# KiCad board st251_20629.kicad_pcb (continued)
## Footprints (pads in the part's own frame, mm; a bottom-side part is the same pattern mirrored in y, then rotated) (continued)
SolderJumper-2_P1.3mm_Bridged_Pad1.0x1.5mm
  rect 1x1.5 smd: 1(-0.65,0) 2(0.65,0)
SOP127P620X175-14
  rect 2x0.6 smd: 1(-2.5,3.81) 2(-2.5,2.54) 3(-2.5,1.27) 4(-2.5,0) 5(-2.5,-1.27) 6(-2.5,-2.54) 7(-2.5,-3.81) 8(2.5,-3.81) 9(2.5,-2.54) 10(2.5,-1.27) 11(2.5,0) 12(2.5,1.27) 13(2.5,2.54) 14(2.5,3.81)
SOP127P620X175-16
  rect 2x0.6 smd: 1(-2.5,4.445) 2(-2.5,3.175) 3(-2.5,1.905) 4(-2.5,0.635) 5(-2.5,-0.635) 6(-2.5,-1.905) 7(-2.5,-3.175) 8(-2.5,-4.445) 9(2.5,-4.445) 10(2.5,-3.175) 11(2.5,-1.905) 12(2.5,-0.635) 13(2.5,0.635) 14(2.5,1.905) 15(2.5,3.175) 16(2.5,4.445)
SOP127P1065X265-16
  rect 2x0.55 smd: 1(-4.7,4.445) 2(-4.7,3.175) 3(-4.7,1.905) 4(-4.7,0.635) 5(-4.7,-0.635) 6(-4.7,-1.905) 7(-4.7,-3.175) 8(-4.7,-4.445) 9(4.7,-4.445) 10(4.7,-3.175) 11(4.7,-1.905) 12(4.7,-0.635) 13(4.7,0.635) 14(4.7,1.905) 15(4.7,3.175) 16(4.7,4.445)
SOP127P1065X265-20
  rect 2x0.55 smd: 1(-4.7,5.715) 2(-4.7,4.445) 3(-4.7,3.175) 4(-4.7,1.905) 5(-4.7,0.635) 6(-4.7,-0.635) 7(-4.7,-1.905) 8(-4.7,-3.175) 9(-4.699,-4.445) 10(-4.699,-5.715) 11(4.699,-5.715) 12(4.699,-4.445) 13(4.7,-3.175) 14(4.7,-1.905) 15(4.7,-0.635) 16(4.7,0.635) 17(4.7,1.905) 18(4.7,3.175) 19(4.7,4.445) 20(4.7,5.715)
SOT95P230X117-3
  rect 0.9x0.8 smd: 1(-1,0.95) 2(-1,-0.95) 3(1,0)
SOT-23
  rrect 1.475x0.6 smd: 1(-0.938,0.95) 2(-0.938,-0.95) 3(0.938,0)
SOT-89-3
  rect 1.3x0.9 smd: 1(-1.95,1.5) 3(-1.95,-1.5)
  custom 4.6x1.733 smd: 2(-1.863,0)
SOT-323_SC-70
  rect 0.7x0.45 smd: 1(-1,0.65) 2(-1,-0.65) 3(1,0)
TestPoint_THTPad_1.0x1.0mm_Drill0.5mm
  rect 1x1 hole 0.5: 1(0,0)
TestPoint_THTPad_1.5x1.5mm_Drill0.7mm
  rect 1.5x1.5 hole 0.7: 1(0,0)
TestPoint_THTPad_2.0x2.0mm_Drill1.0mm
  rect 2x2 hole 1: 1(0,0)
TO-252-2
  rrect 2.2x1.2 smd: 1(-5.04,2.28) 3(-5.04,-2.28)
  rrect 3.05x2.75 smd: 2(-0.415,1.525) 2(-0.415,-1.525) 2(2.935,1.525) 2(2.935,-1.525)
  rrect 6.4x5.8 smd: 2(1.26,0)

## Nets
+5V: 1D1.14 1E1.14 1F1.14 2B1.30 2D1.16 2E1.14 2F1.14 3A1.24 3A1.42 4A1.24 6A1.29 6B1.20 6C1.20 7C1.13 7C1.20 7F1.11 10J1.3 C25.1 C26.1 C30.1 C32.1 C34.1 C38.2 C40.1 C45.1 C49.1 C50.1 C52.1 C65.1 C68.1 C70.1 C71.1 C72.1 C74.1 CR1.2 CR2.1 L1.2 L3.1 Q3.3 R5.2 R7.2 R10.2 R12.2 R13.2 R14.2 R15.2 R19.2 R20.2 R34.2 R35.1 R40.2 R42.2 R44.1 R49.2 R58.2 R59.2 R64.2 R70.2 R71.2 R75.1 R82.1 RN1.10
+5VP: 7E1.14 C62.1 CR4.3 R54.1
+12V: 7F1.12 8F1.6 C54.1 C64.1 C66.1 C73.1 CR3.2 CR5.1 D1.1 L2.2 Langle1.2 Q1.2 Q2.2 R18.1 R61.1 R72.2
+12VA: 6A1.44 10E1.10 C2.1 C15.1 C16.1 C29.1 Langle1.1 R1B1.1
GND: 1D1.7 1E1.7 1F1.7 2B1.13 2B1.27 2D1.8 2E1.7 2F1.7 2F1.12 3A1.44 4A1.12 4A1.18 4H1.0 4H1.4 4H1.9 5H1.4 5H1.8 6A1.5 6A1.28 6A1.30 6B1.1 6B1.10 6C1.10 7C1.10 7C1.19 7E1.7 7F1.13 8F1.13 9J1.7 10E1.11 10F1.4 10F1.5 10F1.12 10F1.13 10H1.4 10H1.5 10H1.12 10H1.13 10J1.12 11E1.11 11F1.4 11F1.5 11F1.12 11F1.13 C1.2 C2.2 C3.1 C4.2 C5.2 C6.2 C8.2 C9.2 C15.2 C16.2 C18.2 C19.2 C27.2 C28.2 C29.2 C30.2 C31.1 C32.2 C40.2 C42.2 C43.2 C44.2 C45.2 C46.2 C47.2 C48.2 C49.2 C50.2 C51.2 C52.2 C53.2 C54.2 C55.2 C56.2 C57.2 C58.2 C60.1 C61.2 C62.2 C63.2 C64.2 C65.2 C66.2 C68.2 C70.2 C71.2 C72.2 C73.2 C74.2 CR4.1 CR7.2 CR8.2 J1.1 J1.3 J1.5 J1.7 J1.9 J1.11 J1.13 J1.15 J1.17 J1.19 J1.21 J1.23 J1.25 J1.27 J1.29 J1.31 J1.33 J2.2 J2.4 J2.6 J2.8 J2.11 J2.12 J2.15 J2.16 J2.19 J2.20 J3.2 J3.3 J4.2 J6.3 J6.7 J6.11 J6.15 J6.19 J6.23 J7.9 J7.15 Q4.2 Q5.2 R3.2 R6.1 R16.2 R26.1 R27.2 R32.2 R33B1.1 R43.1 R45.1 R47.1 R48.1 R50.1 R51.2 R53.2 R55.2 R57.1 R60.1 RN1.1 TP2.1 TP9.1
+5C: 4H1.3 C18.1 C53.1 J4.3 Q3.2
+5F: 10F1.16 10H1.16 11F1.16 C55.1 C57.1 C58.1 DS1.2 JP11.1 L3.2 L11.2
/Analog/+RD: 6A1.25 J2.17
/Analog/-RD: 6A1.26 J2.18
/Analog/CCOMP: 10J1.14 R36.2
/Analog/COILU: 4H1.13 5H1.3 C39.1 C46.1 J4.8
/Analog/COILV: 4H1.17 5H1.7 C48.1 C69.1 J4.7
/Analog/COILW: 4H1.15 5H1.1 7F1.6 C47.1 C59.1 J4.5
/Analog/DRV_SEL: 1E1.8 2E1.13 J7.12 R13.1
/Analog/DS1: J1.26 J7.2
/Analog/DS2: J1.28 J7.4
/Analog/DS3: J1.30 J7.6
/Analog/DS4: J1.32 J7.8
/Analog/HDC1: 10E1.9 J6.1
/Analog/HDC2: 10E1.8 J6.5
/Analog/HDC3: 10E1.7 J6.9
/Analog/HDC4: 10E1.6 J6.13
/Analog/HDC5: 10E1.5 J6.17
/Analog/HDC6: 10E1.4 J6.21
/Analog/HDSEL1: 10E1.17 J1.14 RN1.7
/Analog/HDSEL2: 10E1.16 J1.18 RN1.4
/Analog/HDSEL4: J1.4 JP10.2 RN1.5
/Analog/HDSEL4B: 10E1.15 JP10.1 JP11.2
/Analog/HDSEL8: J1.2 RN1.9
/Analog/MOT_EN: 7E1.8 10F1.1 10F1.9 10H1.1 11F1.1 11F1.9
/Analog/MOTA+: 7F1.15 8F1.18 11F1.3 R67.1
/Analog/MOTA-: 7F1.14 8F1.23 11F1.6 CR8.1 J5.10
/Analog/MOTB+: 8F1.17 10H1.3 R81.1
/Analog/MOTB-: 8F1.22 10H1.6 J5.2
/Analog/MOTC+: 8F1.16 10F1.11 R67B1.1
/Analog/MOTC-: 8F1.21 10F1.14 J5.4
/Analog/MOTD+: 7F1.3 8F1.15 11F1.11 R68.1
/Analog/MOTD-: 7F1.2 8F1.20 11F1.14 J5.6
/Analog/MOTE+: 7F1.1 8F1.14 10F1.3 R68B1.1
/Analog/MOTE-: 7F1.16 8F1.19 10F1.6 J5.8
/Analog/REC_MODE: J1.16 J2.7 J7.14 RN1.6
/Analog/UHALL+: 4H1.21 C35.1 J4.1 R38.1
/Analog/UHALL-: 4H1.20 C35.2 J4.13 R39.1
/Analog/VHALL+: 4H1.19 C36.1 J4.10
/Analog/VHALL-: 4H1.18 C36.2 J4.12
/Analog/WHALL+: 4H1.23 10J1.4 C37.1 J4.9
/Analog/WHALL-: 4H1.22 10J1.5 C37.2 J4.11
/Analog/WRT_FAULT: 2E1.1 2E1.6 JP1.1
/Analog/~{HALL}: 2F1.5 9J1.5
/Analog/~{WRT_GATE}: 6A1.37 C4.1 J1.6 RN1.8
/Digital/0101: 1D1.6 7C1.15
/Digital/A0: 2D1.1 3A1.5 4A1.8
/Digital/A1: 2D1.2 3A1.6 4A1.7
/Digital/A2: 2D1.3 3A1.7 4A1.6
/Digital/A3: 3A1.8 4A1.5
/Digital/A4: 4A1.4 6B1.19
/Digital/A5: 4A1.3 6B1.15
/Digital/A6: 4A1.2 6B1.16
/Digital/A7: 4A1.1 6B1.12
/Digital/A8: 4A1.23 6B1.2
/Digital/A9: 4A1.22 6B1.9
/Digital/A10: 4A1.19 6B1.6
/Digital/A11: 4A1.21 6B1.5
/Digital/D0: 3A1.20 4A1.9 6B1.18 6C1.18
/Digital/D1: 3A1.19 4A1.10 6B1.14 6C1.14
/Digital/D2: 3A1.18 4A1.11 6B1.17 6C1.17
/Digital/D3: 3A1.17 4A1.13 6B1.13 6C1.13
/Digital/D4: 3A1.16 4A1.14 6B1.3 6C1.3
/Digital/D5: 3A1.15 4A1.15 6B1.8 6C1.8
/Digital/D6: 3A1.14 4A1.16 6B1.7 6C1.7
/Digital/D7: 3A1.13 4A1.17 6B1.4 6C1.4
/Digital/DIRECTION: 6C1.15 7C1.17
/Digital/EMS: 1D1.2 2E1.11
/Digital/MCU_INDEX: 2B1.42 3A1.33
/Digital/PA2: 2B1.39 3A1.31
/Digital/PHI2: 1D1.3 2D1.6 2E1.9 3A1.4 R80.2
/Digital/R/~{W}: 2D1.5 2E1.10 3A1.10
/Digital/~{0100}: 2D1.15 6C1.11
/Digital/~{0101}: 1D1.5 2D1.14
/Digital/~{0107}: 2B1.43 2D1.7
/Digital/~{EMS}: 1D1.1 2D1.4 3A1.12 6B1.11
/Digital/~{HALFSTEP}: 6C1.16 7C1.16
/Digital/~{LATCHED_DIR}: 2B1.41 3A1.40
/Digital/~{MCU_READY_OUT}: 2B1.6 3A1.32
/Digital/~{MCU_TRK0_OUT}: 2B1.5 3A1.41
/Digital/~{MCUSTEP}: 2B1.38 3A1.28
/Digital/~{RECOVERY_MODE}: 1D1.8 3A1.39
ALL_PHASES_ON: 3A1.26 7E1.9
CS_: 6C1.2 8F1.4
DRVSEL_OUT: 2B1.9 J2.1
HALL: 2B1.34 2F1.2 2F1.6
INDEX_OUT: 2B1.12 J1.20
LIFE_TEST: 3A1.38 J7.10
MTA+: 7C1.1 11F1.2
MTA-: 7C1.2 11F1.7
MTB+: 7C1.4 10H1.2
MTB-: 7C1.5 10H1.7
MTC+: 7C1.6 10F1.10
MTC-: 7C1.7 10F1.15
MTD+: 7C1.8 11F1.10
MTD-: 7C1.9 11F1.15
MTE+: 7C1.11 10F1.2
MTE-: 7C1.12 10F1.7
READ_DATA: 2B1.36 6A1.24 R35.2
READY_OUT: 2B1.7 J1.22
RECOVERY_MODE: 1D1.9 J7.13
RING: 3A1.30 8F1.24
RIWR1: 6C1.9 10E1.2
RIWR2: 6C1.6 10E1.13
SEEK_COMP: 2B1.11 J1.8
SERIAL_CLOCK: 3A1.29 8F1.3
SERIAL_DATA: 3A1.27 8F1.2
SYS_CLOCK: 1D1.4 2B1.37 8F1.1 9J1.2
TRK0_OUT: 2B1.8 J1.10
VAA: 10F1.8 10H1.8 11F1.8 C42.1 C56.1 C61.1 CR1.1 CR7.1 Q2.3 R52.1 R62.2 R63.1
WRT_OK: 2B1.44 6A1.15
WRTFLT_OUT: 2B1.10 J1.12
~{DC_UNSAFE}: 2B1.31 2F1.1 6A1.40 7E1.1 7E1.2 7E1.13 JP2.1 R76.2
~{DIR}: 2B1.32 J1.34 RN1.2
~{DRV_SEL}: 1E1.9 1E1.10 2B1.4 6A1.21 J7.16 R10.1
~{INDEX_SYNC}: 2B1.40 2D1.10 2F1.4
~{RESET}: 2B1.35 3A1.21 6C1.1 8F1.5
~{STEP}: 2B1.33 J1.24 RN1.3
~{WRT_FAULT}: 1E1.4 2B1.3 R19.1
Net-(1D1-Pad12): 1D1.12 1E1.5 1E1.11
Net-(1E1-Pad1): 1E1.1 1E1.12 R59.1
Net-(1E1-Pad6): 1E1.6 R78.2
Net-(1F1B-C): 1F1.11 J7.11 R70.1
Net-(1F1B-D): 1F1.12 R71.1
Net-(1F1B-~{Q}): 1F1.8 JP1.3
Net-(1F1B-~{R}): 1F1.13 2E1.12
Net-(1F1B-~{S}): 1E1.2 1F1.10 R58.1
Net-(2B1-BIAS): 2B1.2 R45.2
Net-(2E1-Pad2): 2E1.2 2E1.3 R12.1
Net-(2E1-Pad5): 2E1.5 C5.1 R8.1
Net-(2F1A-C): 2F1.3 2F1.8
Net-(2F1B-C): 2F1.11 10J1.2 R15.1
Net-(2F1B-~{R}): 2F1.13 R42.1
Net-(2F1B-~{S}): 2F1.10 10J1.1 R14.1
Net-(3A1-PB4): 3A1.37 TP7.1
Net-(3A1-PB7): 3A1.34 TP4.1
Net-(3A1-XTLI): 3A1.3 Y1.1 Y2.1
Net-(3A1-XTLO): 3A1.2 C31.2 R80.1 R82.2 Y1.2 Y2.2
Net-(3A1-~{NMI}): 3A1.25 R44.2
Net-(4A1-~{G}VPP): 2E1.8 4A1.20
Net-(4H1-12V): 4H1.1 C44.1 CR3.1
Net-(4H1-CFB): 4H1.11 4H1.12 C17.2 R16.1 R17.2
Net-(4H1-COMP): 4H1.7 C17.1 R18.2
Net-(4H1-SN): 4H1.5 C28.1
Net-(4H1-VC+): 4H1.8 R20.1 R36.1 R37.1 R46.1
Net-(6A1A-VCTAP): 6A1.43 R9.1
Net-(6A1A-WDATA_IN+): 6A1.22 J2.13 R4.2
Net-(6A1A-WDATA_IN-): 6A1.23 J2.14 R4.1
Net-(6A1A-WRITE_CUR): 6A1.16 TP8.2
Net-(6A1A-~{WRT_FAULT}): 6A1.39 R8.2
Net-(6A1B-+ON): 6A1.4 R25.1
Net-(6A1B--ON): 6A1.3 L8.1
Net-(6A1B-DI+): 6A1.1 C14.1 L6.2 R24.1 TP1.1
Net-(6A1B-DI-): 6A1.2 C14.2 L7.2 R24.2 TP3.1
Net-(6A1B-DO+): 6A1.8 C21.1 C22.1 R26.2
Net-(6A1B-DO-): 6A1.9 C24.1 R27.1 R28.2
Net-(6A1C-+C1): 6A1.10 C22.2 C23.1 R30.1 R87.1
Net-(6A1C-+C2): 6A1.12 C67.1 L10.1 R87.2
Net-(6A1C--C1): 6A1.11 C23.2 R29.1
Net-(6A1C--C2): 6A1.13 R30.2 R31.1
Net-(6A1C-OA): 6A1.31 R34.1
Net-(6A1C-TMG1): 6A1.35 C34.2 R51.1
Net-(6A1C-TMG2): 6A1.34 C38.1 R53.1
Net-(6A1C-TMG3): 6A1.33 C25.2 R32.1
Net-(6A1C-TMG4): 6A1.32 C26.2 R33B1.2
Net-(6C1-Q4): 6C1.12 7C1.18
Net-(6C1-Q7): 6C1.19 7C1.14
Net-(7C1-~{RETRACT}): 7C1.3 R40.1
Net-(7E1-Pad10): 7E1.10 7E1.11 7E1.12
Net-(7F1-CT): 7F1.8 C43.1
Net-(7F1-DRV): 7F1.7 R66.1
Net-(7F1-VC): 7F1.4 CR6.1
Net-(7F1-VCC): 5H1.2 5H1.6 7F1.5 C19.1 CR5.2 CR6.2 Q5.3 Q5.4
Net-(7F1-VREF): 7F1.10 R41.2
Net-(8F1-COMP): 8F1.10 C41.1
Net-(8F1-DAC_SET): 8F1.8 R57.2
Net-(8F1-DRV): 8F1.9 R79.2
Net-(8F1-FB): 8F1.11 R52.2 R60.2
Net-(8F1-RING_SET): 8F1.12 C60.2 R55.1 R56.1
Net-(8F1-VREF): 8F1.7 R41.1 R56.2
Net-(9J1-OUT1): 9J1.11 R37.2
Net-(9J1-OUT2): 9J1.13 R46.2
Net-(9J1-VCC): 9J1.14 C63.1 R72.1
Net-(10E1-5V): 10E1.18 C1.1 L11.1
Net-(10E1-IWR1): 10E1.19 R2.1
Net-(10E1-IWR2): 10E1.14 R1.1
Net-(10E1-VCTAP): 10E1.1 C3.2 R9.2
Net-(10E1-VHS): 6A1.42 10E1.20
Net-(10E1-WRT_FAULT_IN): 1E1.3 10E1.12 JP1.2
Net-(10J1B-+): 10J1.7 R39.2
Net-(10J1B--): 10J1.6 R38.2
Net-(10J1D-+): 10J1.9 R49.1 R50.2
Net-(10J1D--): 10J1.8 R17.1
Net-(11E1-12V): 11E1.12 C8.1 C9.1 R1B1.2
Net-(11E1-DI+): 6A1.19 11E1.8 C10.1 R21.1 TP6.1
Net-(11E1-DI-): 6A1.20 11E1.7 C10.2 R21.2 TP5.1
Net-(11E1-DO+): 11E1.10 C11.1
Net-(11E1-DO-): 11E1.9 C12.1
Net-(11E1-GAIN+): 11E1.6 C7.1
Net-(11E1-GAIN-): 11E1.5 C7.2
Net-(11E1-HD1+): 11E1.14 J6.4
Net-(11E1-HD1-): 11E1.13 J6.2
Net-(11E1-HD2+): 11E1.16 J6.8
Net-(11E1-HD2-): 11E1.15 J6.6
Net-(11E1-HD3+): 11E1.18 J6.12
Net-(11E1-HD3-): 11E1.17 J6.10
Net-(11E1-HD4+): 11E1.20 J6.16
Net-(11E1-HD4-): 11E1.19 J6.14
Net-(11E1-HD6+): 11E1.1 J6.24
Net-(11E1-HD6-): 11E1.2 J6.22
Net-(C6-Pad1): C6.1 R11.2 R78.1
Net-(C11-Pad2): C11.2 R22.2
Net-(C12-Pad2): C12.2 R23.2
Net-(C13-Pad1): C13.1 L4.2 L6.1
Net-(C13-Pad2): C13.2 L5.2 L7.1
Net-(C20-Pad1): C20.1 R25.2
Net-(C20-Pad2): C20.2 L8.2
Net-(C21-Pad2): C21.2 R28.1
Net-(C24-Pad2): C24.2 C67.2 L9.2 L10.2 R31.2
Net-(C27-Pad1): C27.1 R65.2 R69.1
Net-(C39-Pad2): C39.2 R43.2
Net-(C41-Pad2): C41.2 R63.2
Net-(C59-Pad2): C59.2 R47.2
Net-(C69-Pad2): C69.2 R48.2
Net-(CR2-A): 1E1.13 C51.1 CR2.2 R64.1
Net-(CR5-K): CR5.3 R54.2
Net-(D1-K): D1.3 R69.2
Net-(DS1-K): DS1.1 R11.1
Net-(J3-Pin_1): J3.1 L2.1
Net-(J3-Pin_4): J3.4 L1.1
Net-(J5-Pin_1): J5.1 R68.2
Net-(J5-Pin_3): J5.3 R68B1.2
Net-(J5-Pin_5): J5.5 R67.2
Net-(J5-Pin_7): J5.7 R81.2
Net-(J5-Pin_9): J5.9 R67B1.2
Net-(J6-Pin_18): 11E1.4 J6.18
Net-(J6-Pin_20): 11E1.3 J6.20
Net-(J7-Pin_1): 1D1.13 J7.1 J7.3 J7.5 J7.7 R6.2 R7.1
Net-(JP2-B): 2E1.4 JP2.2 R5.1
Net-(L4-Pad1): L4.1 R22.1
Net-(L5-Pad1): L5.1 R23.1
Net-(L9-Pad1): L9.1 R29.2
Net-(Q1-B): Q1.1 R61.2 R79.1
Net-(Q1-C): Q1.3 Q2.1 R62.1
Net-(Q3-B): Q3.1 R74.1 R75.2
Net-(Q4-B): Q4.1 R76.1
Net-(Q4-C): Q4.3 R74.2
Net-(Q5-G): Q5.1 R65.1 R66.2
Net-(TP8-A): R1.2 R2.2 R3.1 TP8.1

Pads without a net: 1D1 10 11; 1F1 1 2 3 4 5 6 9; 2B1 1 14 15 16 17 18 19 20 21 22 23 24 25 26 28 29; 2D1 9 11 12 13; 2F1 9; 3A1 1 9 11 22 23 35 36 43; 4H1 2 6 10 14 16; 5H1 5; 6A1 6 7 14 17 18 27 36 38 41; 6C1 5; 7E1 3 4 5 6; 7F1 9; 9J1 1 3 4 6 8 9 10 12 15 16; 10E1 3; 10H1 9 10 11 14 15; 10J1 10 11 13; CR4 2; D1 2; J2 3 5 9 10; J4 4 6 14

## Via types
v1: diameter 0.889, hole 0.381, Top to Bottom, 650 vias
v2: diameter 1.27, hole 0.508, Top to Bottom, 1 via

## Routing (per net, layer and track width the routed paths; a pad name or vN(x,y) marks a point on that pad's centre or on a via; arc(x,y) is an arc through that point)
+5V: length 790.7
  Top w0.254: 52.71,123.95 52.71,124.46 52.71,123.7
  Top w0.508: v1(133.98,122.56) 133.98,123.44 132.97,124.46 CR1.2 ; 61.72,104.52 61.6,104.65 6C1.20 ; 52.71,122.81 49.78,122.81 48.16,124.43 C74.1 46.13,124.43 v1(45.34,125.22) ; 52.71,122.81 52.71,124.46 ; 52.71,122.81 53.84,122.81 55.49,121.16 62.36,121.16 63.12,121.92 v1(63.12,122.81) 63.12,122.94 61.6,124.46 ; 8.51,112.52 7.75,112.52 v1(7.62,112.65) ; 8.51,112.52 6A1.29 ; 8.51,112.52 8.51,110.52 C30.1 8.48,109.25 9.52,108.2 17.78,108.2 v1(18.16,108.59) ; CR2.1 80.26,27.81 80.14,27.69 2E1.14 ; 6C1.20 61.85,109.98 v1(62.74,109.09) ; 6C1.20 62.48,109.98 v1(62.74,110.24) ; 1E1.14 78.23,15.62 79.63,14.22 v1(79.63,13.08) 78.23,14.48 74.93,14.48 74.42,13.97 71.56,13.97 70.93,14.61 70.61,14.61 69.09,16.13 v1(67.82,16.13) 67.06,16.89 1D1.14 ; 3A1.42 24.51,46.99 23.24,48.26 22.23,48.26 20.95,46.99 14.6,46.99 12.06,49.53 3A1.24 7.37,49.53 v1(7.37,49.53) ; v1(93.47,120.4) 94.36,119.51 97.28,119.51 ; 49.47,104.08 49.15,103.76 46.81,103.76 6B1.20 46.55,101.8 ; 99.82,16.89 99.82,14.99 ; v1(63.63,24.64) 64.26,24.64 66.17,26.54 2D1.16 ; 97.28,119.51 97.28,110.24 96.52,109.47 96.52,107.57 97.41,106.68 108.2,106.68 v1(108.46,106.43) ; 97.28,119.51 100.46,119.51 103.5,122.56 103.5,126.11 105.03,127.64 108.31,127.64 Q3.3 ; v1(32.38,37.47) 31.75,37.47 30.86,38.35 2B1.30 27.56,38.35 27.05,37.85 27.05,37.21 ; v1(125.6,167.64) 125.6,165.99 125.35,165.74 10J1.3 ; 7F1.11 v1(90.55,127.38)
  Top w0.762: v1(51.31,135.76) 53.72,135.76 54.67,136.71 R40.2 ; 99.82,27.69 101.35,27.69 v1(101.47,27.56) ; v1(17.91,101.35) 19.3,99.95 v1(19.3,94.87)
  Top w1.016: 45.72,100.97 45.47,101.22 43.32,101.22 42.31,100.2 40.51,100.2 38.1,97.79 27.94,97.79 25.65,95.5 ; 45.72,100.97 v1(46.48,101.73) ; 45.72,100.97 46.35,100.97 49.91,104.52 v1(64.52,104.52) ; v1(46.48,101.73) 46.55,101.8 ; v1(46.48,101.73) v1(46.48,100.33) ; 121.28,24.64 122.17,24.64 121.41,24.26 ; 121.28,24.64 121.41,24.77 ; 121.28,24.64 120.78,24.64 ; v1(103.12,16.89) 101.22,14.99 96.01,14.99 95.25,14.22 90.04,14.22 v1(89.79,13.97) 89.28,13.46 80.26,13.46 80.14,13.59 v1(79.63,13.08) ; v1(18.16,108.59) 20.7,108.59 24.07,111.95 26.92,111.95 ; v1(17.91,61.34) 16.76,62.48 9.14,62.48 5.97,59.31 5.97,55.12 7.37,53.72 v1(7.37,49.53) 7.37,49.34 5.71,47.69 5.71,42.16 8.25,39.62 v2(8.25,39.5) 8.38,39.5 9.78,38.1 13.72,38.1 15.62,36.2 22.48,36.2 24.77,33.91 v1(25.65,33.91) 26.29,33.91 27.05,34.67 27.05,37.21
  Top w1.27: v1(19.3,94.87) 18.03,93.6 18.03,85.85 v1(21.08,82.8)
  Bottom w0.254: R20.2 128.46,157.16 128.02,157.61 128.02,158.75 129.1,159.83 R49.2
  Bottom w0.508: v1(7.62,112.65) 9.02,112.65 11.13,114.76 C32.1 ; R35.1 33.78,34.35 33.78,37.47 ; v1(26.92,111.89) 27.06,112.02 C71.1 24.51,113.67 22.86,115.32 R34.2 ; v1(63.12,122.81) 62.74,122.43 v1(62.74,109.09) ; R42.2 90.1,23.69 93.16,20.64 R15.2 93.16,17.66 R70.2 ; C49.1 9.65,50.93 9.14,50.42 8.25,50.42 v1(7.37,49.53) ; v1(17.91,101.35) 16.32,101.35 C26.1 C25.1 17.14,109.6 v1(18.16,108.59) 16.64,107.06 C34.1 ; R13.2 66.26,13.62 C52.1 66.36,18.89 R58.2 66.36,23.05 66.04,23.37 65.28,23.37 64.01,24.64 v1(63.63,24.64) ; R82.1 34.04,47.31 34.04,37.72 33.78,37.47 ; C50.1 15.83,56.59 16,56.77 ; 133.98,110.87 130.43,110.87 129.73,111.57 R75.1 129.73,111.83 130.17,112.27 133.98,112.27 ; v1(108.46,106.43) 108.84,106.05 109.73,106.05 108.71,105.03 v1(108.46,105.03) ; v1(32.38,37.47) 33.78,37.47 ; v1(25.65,33.91) 25.65,25.65 ; v1(90.55,127.38) v1(90.55,126.24) ; 131.19,161.67 129.54,161.67 129.1,161.23 R49.2 129.1,160.59 129.67,160.02 131.19,160.02
  Bottom w0.762: v1(79.63,13.08) 79.63,13.59 78.42,14.79 R64.2 78.49,15.68 78.49,18.61 R19.2 78.42,18.92 R59.2 78.42,27.94 R12.2 ; R44.1 10.04,42.04 8.25,40.26 v2(8.25,39.5) ; R12.2 81.15,28.19 CR2.1 ; R12.2 78.23,28.26 78.23,31.62 R5.2 ; v1(125.6,167.64) 129.16,171.2 132.46,171.2 ; 132.46,177.67 132.46,178.18 130.89,179.76 L3.1 ; v1(51.31,135.76) 51.31,130.33 46.2,125.22 v1(45.34,125.22) ; 16,56.77 17.53,58.29 ; v1(89.79,13.97) 91.63,13.97 91.76,13.84 R71.2 R70.2
  Bottom w1.016: v1(90.55,126.24) 90.68,126.24 92.33,124.59 92.33,121.73 93.47,120.59 v1(93.47,120.4) ; 17.53,58.29 17.91,58.67 v1(17.91,61.34) ; 85.85,58.93 85.85,73.53 82.8,76.58 82.8,85.34 75.44,92.71 65.91,92.71 63.61,95.01 63.61,105.17 ; R7.2 v1(67.82,16.13)
  Bottom w1.27: 129.16,39.12 v1(128.4,38.48) 130.3,40.26 130.3,44.96 129.29,45.97 126.24,45.97 123.44,48.77 123.44,67.06 121.92,68.58 121.92,103.25 ; 121.92,103.25 127.76,103.25 133.98,109.47 133.98,114.55 131.19,117.35 131.19,118.36 134.37,121.54 134.37,131.32 132.97,132.72 132.97,142.62 131.19,144.4 131.19,167 132.46,168.28 132.46,177.67 ; 121.92,103.25 120.71,103.25 117.92,106.05 109.73,106.05 ; v1(17.91,61.34) 17.91,62.61 22.99,67.69 22.99,78.87 21.08,80.77 v1(21.08,82.8) ; v1(46.48,100.33) v1(46.48,101.73)
  vias: v1(63.37,104.52) v1(120.65,23.11) v1(120.65,21.84) v1(122.05,23.11) v1(122.05,21.84) v1(127,38.48) v1(127,37.21) v1(128.4,37.21)
+5VP: length 34
  Top w0.508: 83.77,109.73 86.06,109.73 CR4.3 85.85,109.93 85.85,111.95 R54.1 ; 83.77,109.73 81.79,109.73 81.53,109.98 v1(79.76,109.98) ; 83.77,109.73 C62.1 ; 7E1.14 77.72,124.59 v1(78.87,123.44) v1(78.87,122.17)
  Bottom w0.508: v1(78.87,122.17) v1(78.87,123.44)
  Bottom w1.016: v1(79.76,109.98) 78.36,109.98 77.6,110.74 77.6,113.03 78.75,114.19 78.75,122.06 v1(78.87,122.17)
+12V: length 377
  Top w0.254: R18.1 109.54,114.87 v1(108.97,115.44)
  Top w0.508: 8F1.6 84.84,145.03 v1(84.96,145.16) ; v1(80.14,111.51) 82.68,111.51 v1(83.31,110.87) ; Q2.2 127.25,138.94 130.79,135.4 Q1.2 ; v1(100.71,127.38) v1(101.85,127.38)
  Top w0.762: Q2.2 122.34,137.8 119.38,137.8 114.43,132.84 v1(114.43,132.59) ; v1(100.71,127.38) 95,127.38 93.73,128.65 7F1.12 ; v1(88.01,99.19) 88.65,99.82 v1(88.65,104.52) ; v1(105.79,108.97) 105.41,108.97 v1(105.03,108.59) v1(100.71,108.59) v1(99.44,108.59) ; CR5.1 83.49,111.05 v1(83.31,110.87) ; 95.5,116.08 94.36,114.94 v1(92.84,114.94) ; v1(123.32,119.38) 122.1,119.38 C73.1 121.72,119.08 115.82,124.97 115.82,128.78 116.62,129.57 CR3.2 ; v1(125.86,135.38) 125.86,137.97 Q2.2
  Bottom w0.508: v1(84.96,145.16) 84.96,142.75 83.44,141.22 83.44,133.1 80.01,129.67 80.01,111.63 v1(80.14,111.51) ; 68.58,97.54 68.07,97.03 v1(68.07,96.9) v1(68.07,98.3) ; C54.1 101.85,125.4 v1(101.85,127.38) ; R72.2 125.28,135.96 v1(125.86,135.38)
  Bottom w0.762: 101.85,128.52 v1(101.85,127.38) v1(100.71,127.38) ; v1(32.02,87.12) v1(32.02,88.39) 32.02,103.9 33.53,105.41 33.53,114.05 38.3,118.82 Langle1.2 ; R61.1 124.71,122.3 v1(123.32,119.38) 123.06,119.13 ; 116.33,119.13 116.33,117.09 114.94,115.7 109.85,115.7 109.6,115.44 v1(108.97,115.44) 109.35,115.06 109.35,110.24 108.58,109.47 106.3,109.47 v1(105.79,108.97) 105.41,108.97 v1(105.03,108.59) ; 92.84,109.09 93.23,109.49 98.54,109.49 v1(99.44,108.59) ; 92.84,109.86 98.68,109.86 99.95,108.59 v1(100.71,108.59)
  Bottom w1.27: v1(92.84,114.94) 92.84,108.33 89.03,104.52 v1(88.65,104.52) 83.19,104.52 82.17,105.54 82.17,107.95 83.31,109.09 v1(83.31,110.87) ; v1(101.85,127.38) 101.85,128.14 106.3,132.59 v1(114.43,132.59) 114.43,128.4 116.33,126.49 116.33,119.13 123.06,119.13
  Bottom w2.286: L2.2 128.9,21.34 123.19,27.05 112.78,27.05 103.38,36.45 103.38,51.31 98.04,56.64 98.04,72.52 99.69,74.17 99.69,90.42 97.03,93.09 93.85,93.09 88.65,98.3 85.47,98.3
+12VA: length 98
  Top w0.254: 6A1.44 24.38,120.52 v1(24.89,121.03)
  Top w0.508: C29.1 28.27,119.3 27.94,119.63 26.29,119.63 v1(24.89,121.03) ; v1(62.99,152.65) 62.99,154.18 63.12,154.31 10E1.10 64.64,154.31 67.56,157.23 67.56,159.51 68.58,160.53 68.58,165.48 v1(71.12,168.02)
  Top w0.762: v1(34.42,121.03) 38.48,121.03 40.01,122.56 41.15,122.56 v1(42.16,123.57)
  Bottom w0.254: C16.1 32.56,119.56 ; 34.04,121.03 v1(34.42,121.03) ; 25.15,121.03 v1(24.89,121.03) ; 27.24,118.93 27.24,119.51
  Bottom w0.508: R1B1.1 74.23,168.46 73.79,168.02 v1(71.12,168.02) ; v1(62.99,152.65) 63.8,152.65 C2.1 ; 32.56,119.56 34.04,121.03 ; C16.1 31.42,117.98 28.57,117.98 27.24,119.31 27.24,119.51 26.8,119.51 25.27,121.03 v1(24.89,121.03)
  Bottom w0.762: Langle1.1 41.91,119.84 41.91,123.32 v1(42.16,123.57) 42.42,123.83 46.16,123.83 52.71,130.37 52.71,140.84 60.83,148.97 60.83,151 62.48,152.65 v1(62.99,152.65)
GND: length 366
  Top w0.254: v1(70.61,170.69) 70.61,171.7 71.25,172.34 71.25,176.02 71.37,176.14 71.37,179.71 71.25,179.83 ; J7.9 46.61,17.02 47.88,15.75 51.56,15.75 52.83,17.02 J7.15
  Top w0.508: 97.92,171.12 C56.2 98.3,170.13 98.3,168.76 10F1.4 10F1.5 ; 2D1.8 57.28,34.29 59.94,34.29 60.2,34.54 ; J4.2 127.76,40.89 126.24,39.37 125.98,39.37 ; 60.32,124.46 60.32,125.48 60.77,125.92 62.06,125.92 62.74,125.24 62.74,125.1 ; v1(97.66,108.2) 98.42,107.44 106.04,107.44 107.31,108.71 107.31,109.73 107.06,109.98 105.79,109.98 105.28,110.49 105.28,112.65 Q5.2 ; v1(22.35,39.62) 22.99,40.26 27.56,40.26 28.19,40.89 28.83,40.89 29.84,41.91 29.84,42.67 29.97,42.8 32.38,42.8 32.38,42.8 2B1.27 ; v1(70.61,170.69) 70.61,169.93 71.37,169.16 11E1.11 ; 35.12,113.41 35.12,114.37 40.26,119.51 48.26,119.51 v1(48.39,119.63) 48.51,119.76 49.78,119.76 6C1.10 ; 43.43,35.43 44.32,34.54 2B1.13 ; 6B1.1 46.55,114.5 v1(47.24,115.19) ; v1(44.96,46.23) 38.73,46.23 37.65,47.31 C31.1 37.65,48.96 35.43,51.18 30.1,51.18 28.45,49.53 3A1.44 ; 10E1.11 75.06,154.31 ; 6A1.28 8.13,115.44 8.51,115.82 9.78,115.82 6A1.30 9.78,112.27 11.05,112.27 11.43,111.89 C30.2 ; v1(29.83,112.27) 28.57,113.53 C29.2 ; 10F1.13 10F1.12 ; 8F1.13 v1(93.22,137.41)
  Top w0.762: v1(84.46,100.97) 84.46,103.63 82.42,105.66 82.42,107.32 81.28,108.46 C62.2 ; C29.2 28.37,114.17
  Top w1.016: v1(9.14,11.18) 8.76,10.8 J2.15 ; v1(4.7,10.54) 3.68,9.53 J2.19 ; J2.11 v1(13.84,11.18) ; 27.3,80.14 27.18,80.26 23.37,80.26
  Top w1.27: v1(17.91,67.69) 17.78,67.56 4A1.12
  Bottom w0.254: 10F1.13 97.79,160.4 v1(97.79,156.72) ; v1(71.37,24.89) 70.36,23.88 68.2,23.88 67.82,23.5 67.82,20.57 69.22,19.18 C52.2 69.98,19.56 v1(69.98,20.57)
  Bottom w0.508: 12.88,51.69 C50.2 12.24,53.85 ; 12.88,51.69 v1(14.73,51.69) ; 12.88,51.69 12.65,51.46 C49.2 12.88,51.15 12.88,51.69 ; R33B1.1 R51.2 R32.2 7.81,110.43 6.35,111.89 6.35,113.79 v1(6.6,114.05) 7.87,115.32 C32.2 ; C71.2 29.83,112.79 v1(29.83,112.27) ; J4.2 125.48,39.24 ; R57.1 93.22,137.42 v1(93.22,137.41) 92.46,137.41 90.93,135.89 90.93,134.37 92.89,132.41 C60.1 92.89,131.02 94.87,129.03 v1(95.76,129.03) v1(95.76,123.44) ; R43.1 100.2,69.66 100.2,64.83 R48.1 100.2,63.95 100.2,59.88 R47.1 100.46,59.25 100.46,57.02 100.84,56.64 ; v1(104.9,128.65) 104.85,128.6 C54.2 105.36,124.84 107.31,124.84 107.57,124.59 R60.1 ; v1(130.81,169.04) 129.1,167.32 R50.1 ; v1(97.66,108.2) 96.39,108.2 91.57,103.38 v1(91.57,101.6) ; R27.2 13.14,132.08 9.97,132.08 R26.1 8.38,133.67 v1(8.38,133.73) ; 36.83,38.35 36.78,38.31 C68.2 ; v1(66.93,150.11) 66.93,150.62 67.56,151.26 67.56,152.86 C2.2 67.38,153.28 R3.2
  Bottom w0.762: J7.9 45.85,19.05 45.34,19.56 v1(44.96,19.56) v1(43.94,19.56) ; v1(37.85,63.5) v1(37.85,61.98) 37.85,60.58 37.72,60.45 ; v1(39.5,63.5) v1(39.5,61.98) 39.5,60.45 ; R6.1 60.39,21.84 v1(57.02,21.84)
  Bottom w1.016: v1(79.25,100.58) 84.07,100.58 v1(84.46,100.97) ; v1(9.14,11.18) 8.76,10.8 J2.15 ; J2.19 3.68,9.53 v1(4.7,10.54) ; v1(53.72,45.47) 53.47,45.72 53.47,55.88 RN1.1 ; 12.24,53.85 12.11,53.98 8.76,53.98 7.62,52.83 7.62,52.32 v1(5.33,50.04) ; J2.11 v1(13.84,11.18) ; v1(103.12,165.86) v1(104.9,165.86) v1(104.9,163.07) v1(103.12,163.07) 99.19,163.07 97.67,161.55 10F1.13 ; 10H1.13 10H1.12
  vias: v1(16,99.44) v1(16.64,11.05) v1(17.65,11.05) v1(22.99,13.59) v1(24.26,13.59) v1(34.54,23.11) v1(36.45,19.3) v1(43.05,38.1) v1(43.05,34.54) v1(44.96,44.2) v1(47.75,110.11) v1(60.45,186.94) v1(60.45,185.8) v1(61.34,165.86) v1(61.34,164.59) v1(63.63,87.25) v1(63.63,85.98) v1(63.63,84.71) v1(65.15,88.27) v1(66.55,89.15) v1(68.33,90.04) v1(69.98,89.28) v1(71.5,88.39) v1(73.15,87.38) v1(73.15,86.11) v1(73.15,84.84) v1(83.95,175.01) v1(83.95,173.74) v1(88.14,112.14) v1(89.79,110.62) v1(90.93,121.67) v1(92.07,119.89) v1(93.6,10.67) v1(94.62,82.3) v1(94.62,81.03) v1(100.46,67.82) v1(100.46,62.23) v1(103.38,11.18) v1(113.16,100.2) v1(114.43,60.07) v1(114.43,58.17) v1(116.33,60.07) v1(116.33,58.17) v1(122.3,121.67) v1(130.17,157.99)
+5C: length 99.2
  Top w0.254: 4H1.3 111.3,98.81 C18.1 ; 108.58,101.22 107.95,101.85 107.95,102.74 109.85,104.65 109.85,108.2 109.22,108.84 109.22,113.92 108.08,115.06 108.08,116.46 108.71,117.09 108.71,122.17 107.31,123.57 107.31,125.22 107.7,125.6 Q3.2
  Bottom w1.27: C53.1 121.67,54.99 121.79,55.12 ; J4.3 121.79,47.24 121.79,55.12 ; 121.79,55.12 121.79,66.29 120.27,67.82 120.27,97.28 118.75,98.81 4H1.3
